# Altium PCB CPU_CARD.pcbdoc (part 4 of 10)
Units mil, origin at the board's own origin, x right, y up, seen from the top; angles counter-clockwise.
Board outline 12785.46 x 11935.21 mil, 2 copper layers (Top Layer, Bottom Layer); 169 components, 379 nets, 1548 pads, 1023 vias.
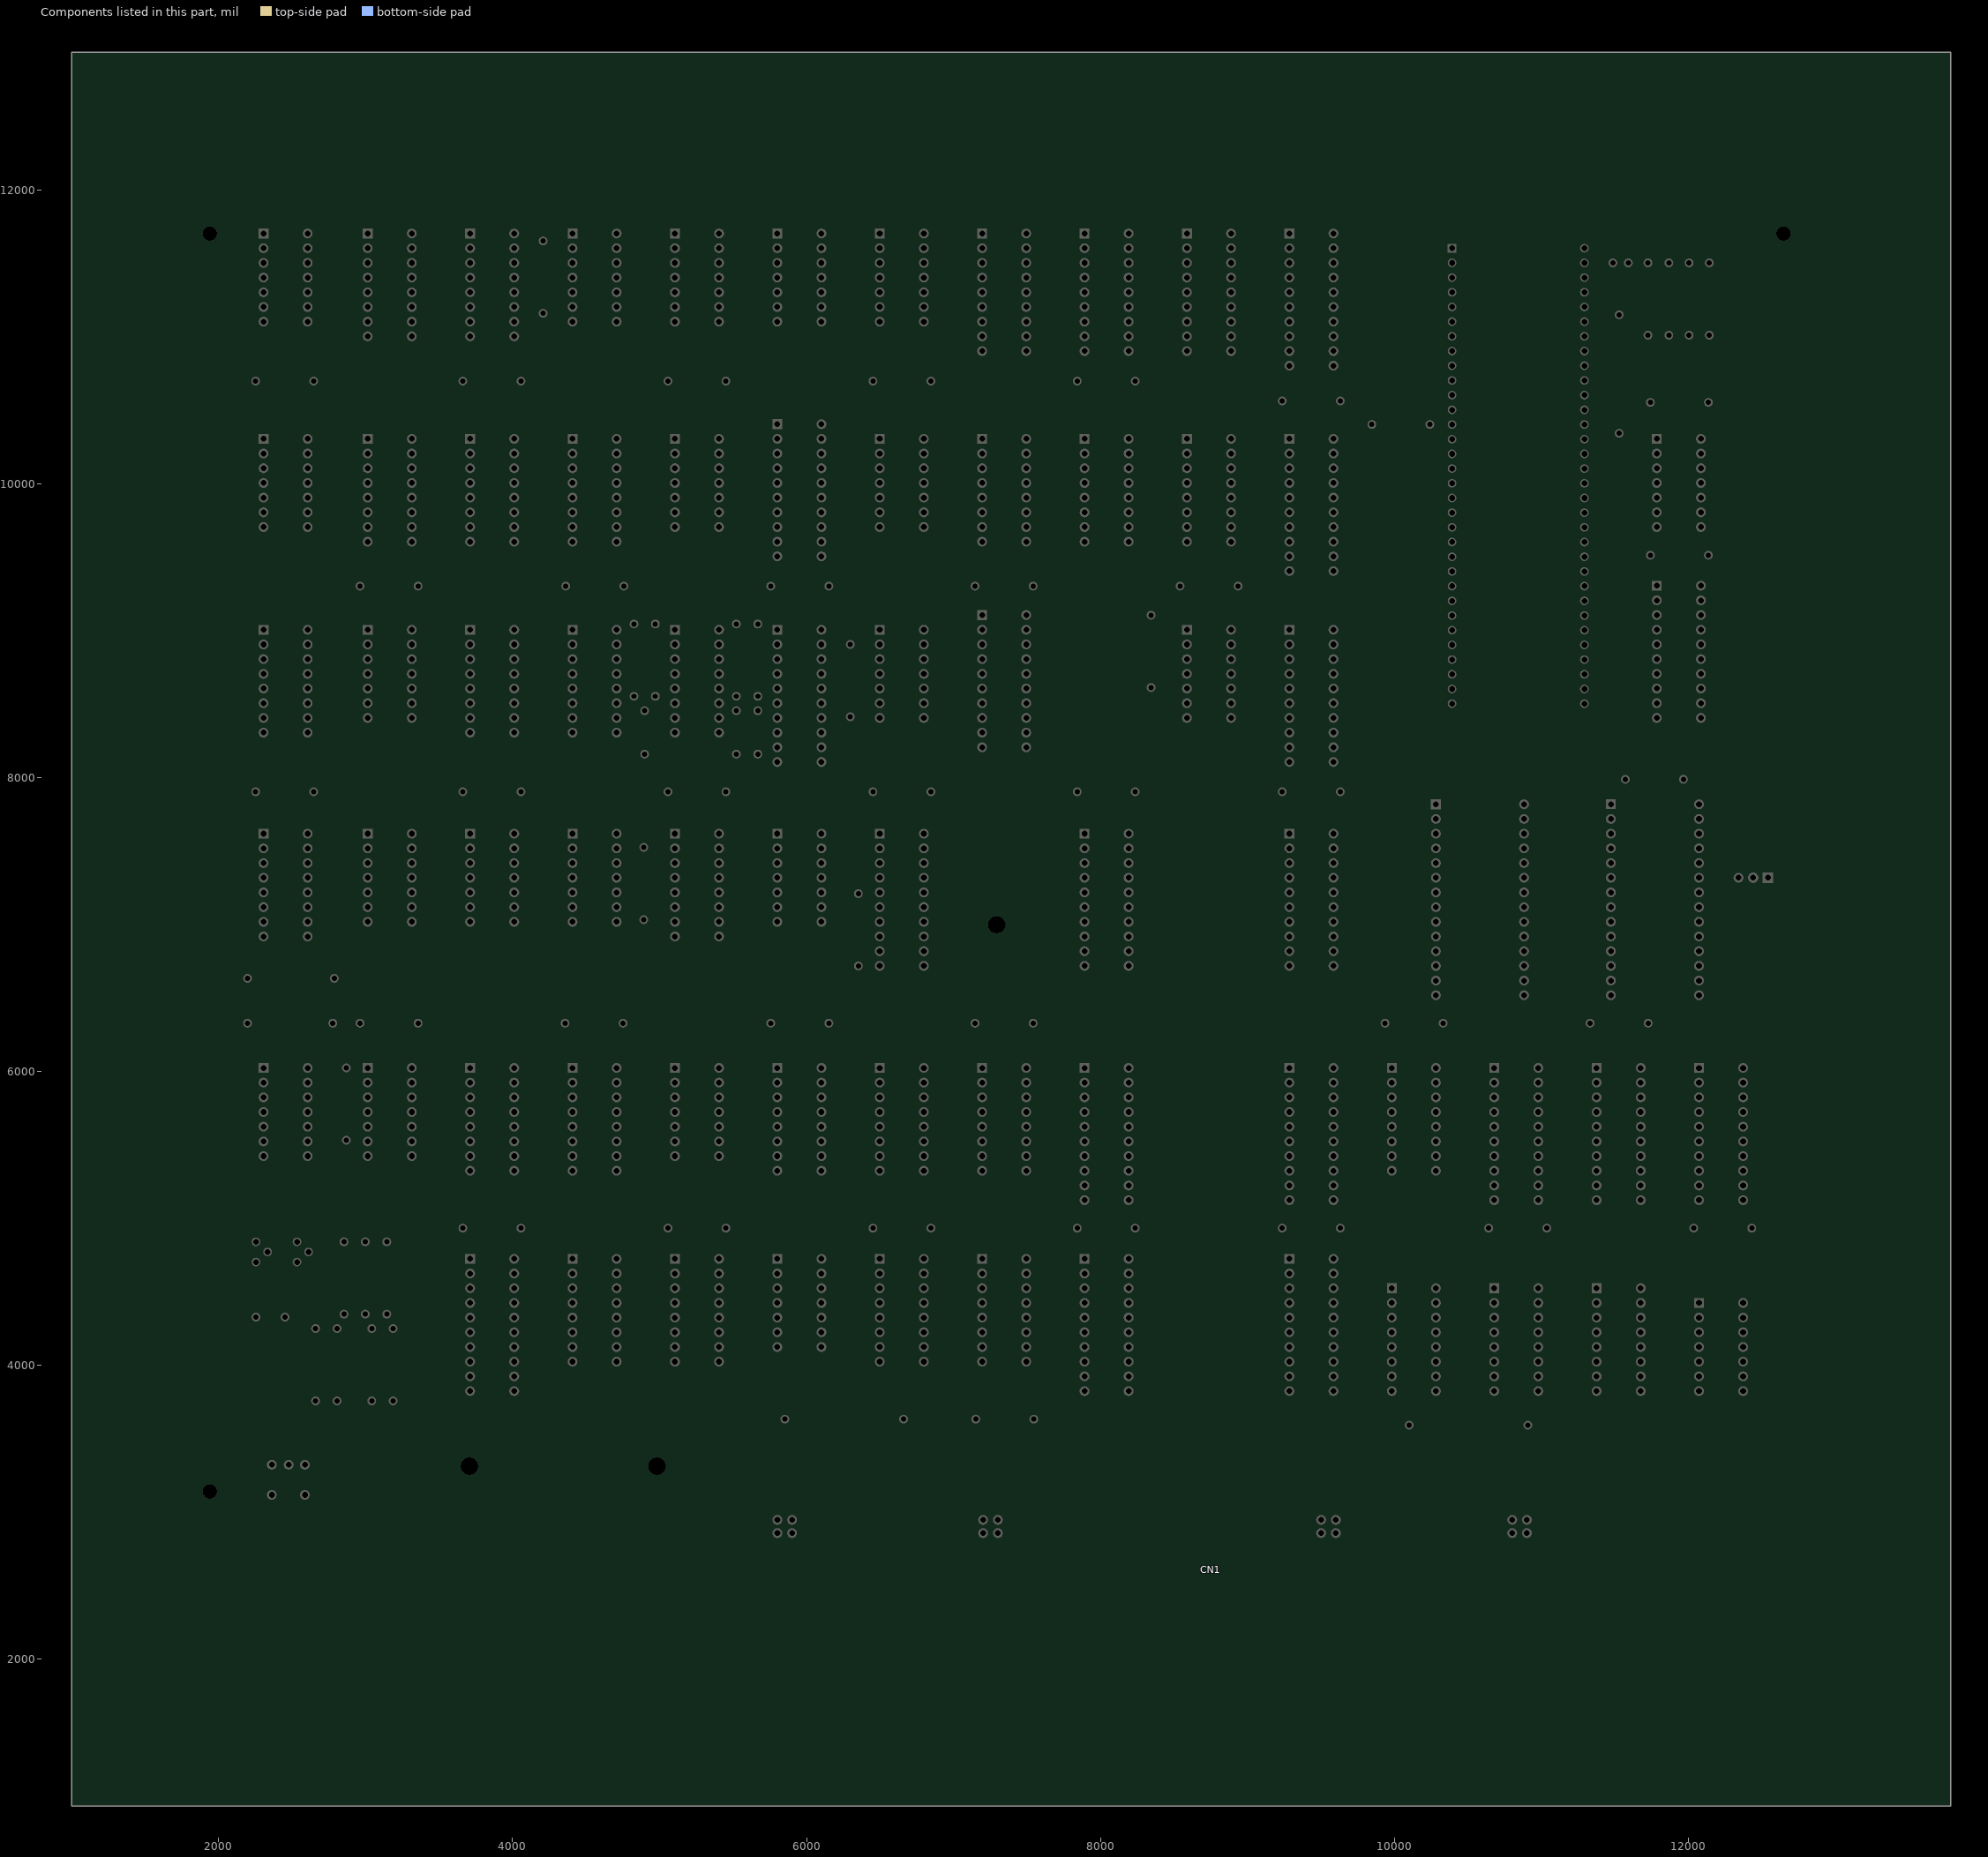
[diagram p4: the components of this part, seen from the top]

## Footprints (in the part's own frame and the unit in brackets; to place one, negate y for a bottom-side part, rotate by r counter-clockwise, add the part's x,y. Pads: shape width x height; smd on the part's side, far side on the other; paste and mask are expansions set on the pad) (continued)
LISA_60_PIN_EDGE_MK5 [mm] (continued)
  Top Layer region: 54.659,4.952 54.621,4.953 54.621,4.953 54.583,4.952 54.583,4.952 54.545,4.949 54.545,4.949 54.508,4.944 54.508,4.944 54.47,4.937 54.47,4.937 54.433,4.927 54.433,4.927 54.397,4.916 54.397,4.916 54.362,4.903 54.362,4.903 54.327,4.888 54.327,4.888 54.293,4.871 54.293,4.871 54.26,4.853 54.26,4.853 54.228,4.832 54.228,4.832 54.197,4.81 54.197,4.81 54.168,4.787 54.168,4.787 54.139,4.761 54.139,4.761 54.112,4.734 54.112,4.734 54.087,4.706 54.087,4.706 54.063,4.677 54.063,4.677 54.041,4.646 54.041,4.646 54.021,4.614 54.021,4.614 54.002,4.581 54.002,4.581 53.985,4.547 53.985,4.547 53.971,4.512 53.971,4.512 53.957,4.477 53.957,4.477 53.946,4.44 53.946,4.44 53.937,4.404 53.937,4.404 53.93,4.366 53.93,4.366 53.925,4.329 53.925,4.329 53.922,4.291 53.922,4.291 53.921,4.253 53.921,4.253 53.921,-4.953 53.921,-4.953 55.321,-4.953 55.321,-4.953 55.321,4.253 55.321,4.253 55.32,4.291 55.32,4.291 55.317,4.329 55.317,4.329 55.312,4.366 55.312,4.366 55.304,4.404 55.304,4.404 55.295,4.44 55.295,4.44 55.284,4.477 55.284,4.477 55.271,4.512 55.271,4.512 55.256,4.547 55.256,4.547 55.239,4.581 55.239,4.581 55.22,4.614 55.22,4.614 55.2,4.646 55.2,4.646 55.178,4.677 55.178,4.677 55.154,4.706 55.154,4.706 55.129,4.734 55.129,4.734 55.102,4.761 55.102,4.761 55.074,4.787 55.074,4.787 55.044,4.81 55.044,4.81 55.013,4.832 55.013,4.832 54.982,4.853 54.982,4.853 54.948,4.871 54.948,4.871 54.915,4.888 54.915,4.888 54.88,4.903 54.88,4.903 54.844,4.916 54.844,4.916 54.808,4.927 54.808,4.927 54.771,4.937 54.771,4.937 54.734,4.944 54.734,4.944 54.696,4.949 54.696,4.949
  Top Layer region: 49.578,4.952 49.54,4.953 49.54,4.953 49.502,4.952 49.502,4.952 49.464,4.949 49.464,4.949 49.427,4.944 49.427,4.944 49.39,4.937 49.39,4.937 49.353,4.927 49.353,4.927 49.317,4.916 49.317,4.916 49.281,4.903 49.281,4.903 49.246,4.888 49.246,4.888 49.212,4.871 49.212,4.871 49.179,4.853 49.179,4.853 49.147,4.832 49.147,4.832 49.117,4.81 49.117,4.81 49.087,4.787 49.087,4.787 49.059,4.761 49.059,4.761 49.032,4.734 49.032,4.734 49.007,4.706 49.007,4.706 48.983,4.677 48.983,4.677 48.961,4.646 48.961,4.646 48.94,4.614 48.94,4.614 48.922,4.581 48.922,4.581 48.905,4.547 48.905,4.547 48.89,4.512 48.89,4.512 48.877,4.477 48.877,4.477 48.866,4.44 48.866,4.44 48.857,4.403 48.857,4.403 48.849,4.366 48.849,4.366 48.844,4.329 48.844,4.329 48.841,4.291 48.841,4.291 48.84,4.253 48.84,4.253 48.84,-4.953 48.84,-4.953 50.24,-4.953 50.24,-4.953 50.24,4.253 50.24,4.253 50.239,4.291 50.239,4.291 50.236,4.329 50.236,4.329 50.231,4.366 50.231,4.366 50.224,4.403 50.224,4.403 50.215,4.44 50.215,4.44 50.204,4.477 50.204,4.477 50.191,4.512 50.191,4.512 50.176,4.547 50.176,4.547 50.159,4.581 50.159,4.581 50.14,4.614 50.14,4.614 50.12,4.646 50.12,4.646 50.097,4.677 50.097,4.677 50.074,4.706 50.074,4.706 50.048,4.734 50.048,4.734 50.022,4.761 50.022,4.761 49.993,4.787 49.993,4.787 49.964,4.81 49.964,4.81 49.933,4.832 49.933,4.832 49.901,4.853 49.901,4.853 49.868,4.871 49.868,4.871 49.834,4.888 49.834,4.888 49.799,4.903 49.799,4.903 49.764,4.916 49.764,4.916 49.727,4.927 49.727,4.927 49.691,4.937 49.691,4.937 49.654,4.944 49.654,4.944 49.616,4.949 49.616,4.949
  Top Layer region: 47.038,4.952 47,4.953 47,4.953 46.962,4.952 46.962,4.952 46.924,4.949 46.924,4.949 46.887,4.944 46.887,4.944 46.849,4.937 46.849,4.937 46.813,4.927 46.813,4.927 46.776,4.916 46.776,4.916 46.741,4.903 46.741,4.903 46.706,4.888 46.706,4.888 46.672,4.871 46.672,4.871 46.639,4.853 46.639,4.853 46.607,4.832 46.607,4.832 46.576,4.81 46.576,4.81 46.547,4.787 46.547,4.787 46.518,4.761 46.518,4.761 46.492,4.734 46.492,4.734 46.466,4.706 46.466,4.706 46.443,4.677 46.443,4.677 46.421,4.646 46.421,4.646 46.4,4.614 46.4,4.614 46.381,4.581 46.381,4.581 46.365,4.547 46.365,4.547 46.35,4.512 46.35,4.512 46.337,4.477 46.337,4.477 46.325,4.44 46.325,4.44 46.316,4.403 46.316,4.403 46.309,4.366 46.309,4.366 46.304,4.329 46.304,4.329 46.301,4.291 46.301,4.291 46.3,4.253 46.3,4.253 46.3,-4.953 46.3,-4.953 47.7,-4.953 47.7,-4.953 47.7,4.253 47.7,4.253 47.699,4.291 47.699,4.291 47.696,4.329 47.696,4.329 47.691,4.366 47.691,4.366 47.684,4.403 47.684,4.403 47.674,4.44 47.674,4.44 47.663,4.477 47.663,4.477 47.65,4.512 47.65,4.512 47.635,4.547 47.635,4.547 47.618,4.581 47.618,4.581 47.6,4.614 47.6,4.614 47.579,4.646 47.579,4.646 47.557,4.677 47.557,4.677 47.533,4.706 47.533,4.706 47.508,4.734 47.508,4.734 47.481,4.761 47.481,4.761 47.453,4.787 47.453,4.787 47.423,4.81 47.423,4.81 47.393,4.832 47.393,4.832 47.361,4.853 47.361,4.853 47.328,4.871 47.328,4.871 47.294,4.888 47.294,4.888 47.259,4.903 47.259,4.903 47.223,4.916 47.223,4.916 47.187,4.927 47.187,4.927 47.15,4.937 47.15,4.937 47.113,4.944 47.113,4.944 47.075,4.949 47.075,4.949
  Bottom Layer region: 47.038,4.952 47,4.953 47,4.953 46.962,4.952 46.962,4.952 46.924,4.949 46.924,4.949 46.887,4.944 46.887,4.944 46.849,4.937 46.849,4.937 46.813,4.927 46.813,4.927 46.776,4.916 46.776,4.916 46.741,4.903 46.741,4.903 46.706,4.888 46.706,4.888 46.672,4.871 46.672,4.871 46.639,4.853 46.639,4.853 46.607,4.832 46.607,4.832 46.576,4.81 46.576,4.81 46.547,4.786 46.547,4.786 46.519,4.761 46.519,4.761 46.492,4.734 46.492,4.734 46.466,4.706 46.466,4.706 46.443,4.677 46.443,4.677 46.421,4.646 46.421,4.646 46.4,4.614 46.4,4.614 46.382,4.581 46.382,4.581 46.365,4.547 46.365,4.547 46.35,4.512 46.35,4.512 46.337,4.477 46.337,4.477 46.325,4.44 46.325,4.44 46.316,4.403 46.316,4.403 46.309,4.366 46.309,4.366 46.304,4.329 46.304,4.329 46.301,4.291 46.301,4.291 46.3,4.253 46.3,4.253 46.3,-4.953 46.3,-4.953 47.7,-4.953 47.7,-4.953 47.7,4.253 47.7,4.253 47.699,4.291 47.699,4.291 47.696,4.329 47.696,4.329 47.691,4.366 47.691,4.366 47.684,4.403 47.684,4.403 47.675,4.44 47.675,4.44 47.663,4.477 47.663,4.477 47.65,4.512 47.65,4.512 47.635,4.547 47.635,4.547 47.618,4.581 47.618,4.581 47.6,4.614 47.6,4.614 47.579,4.646 47.579,4.646 47.557,4.677 47.557,4.677 47.534,4.706 47.534,4.706 47.508,4.734 47.508,4.734 47.481,4.761 47.481,4.761 47.453,4.786 47.453,4.786 47.423,4.81 47.423,4.81 47.393,4.832 47.393,4.832 47.361,4.853 47.361,4.853 47.328,4.871 47.328,4.871 47.294,4.888 47.294,4.888 47.259,4.903 47.259,4.903 47.224,4.916 47.224,4.916 47.187,4.927 47.187,4.927 47.15,4.937 47.15,4.937 47.113,4.944 47.113,4.944 47.076,4.949 47.076,4.949
  Bottom Layer region: 49.578,4.952 49.54,4.953 49.54,4.953 49.502,4.952 49.502,4.952 49.464,4.949 49.464,4.949 49.427,4.944 49.427,4.944 49.39,4.937 49.39,4.937 49.353,4.927 49.353,4.927 49.317,4.916 49.317,4.916 49.281,4.903 49.281,4.903 49.246,4.888 49.246,4.888 49.212,4.871 49.212,4.871 49.179,4.853 49.179,4.853 49.147,4.832 49.147,4.832 49.117,4.81 49.117,4.81 49.087,4.787 49.087,4.787 49.059,4.761 49.059,4.761 49.032,4.734 49.032,4.734 49.007,4.706 49.007,4.706 48.983,4.677 48.983,4.677 48.961,4.646 48.961,4.646 48.94,4.614 48.94,4.614 48.922,4.581 48.922,4.581 48.905,4.547 48.905,4.547 48.89,4.512 48.89,4.512 48.877,4.477 48.877,4.477 48.866,4.44 48.866,4.44 48.857,4.403 48.857,4.403 48.85,4.366 48.85,4.366 48.844,4.329 48.844,4.329 48.841,4.291 48.841,4.291 48.84,4.253 48.84,4.253 48.84,-4.953 48.84,-4.953 50.24,-4.953 50.24,-4.953 50.24,4.253 50.24,4.253 50.239,4.291 50.239,4.291 50.236,4.329 50.236,4.329 50.231,4.366 50.231,4.366 50.224,4.403 50.224,4.403 50.215,4.44 50.215,4.44 50.204,4.477 50.204,4.477 50.191,4.512 50.191,4.512 50.176,4.547 50.176,4.547 50.159,4.581 50.159,4.581 50.14,4.614 50.14,4.614 50.12,4.646 50.12,4.646 50.097,4.677 50.097,4.677 50.074,4.706 50.074,4.706 50.048,4.734 50.048,4.734 50.022,4.761 50.022,4.761 49.993,4.787 49.993,4.787 49.964,4.81 49.964,4.81 49.933,4.832 49.933,4.832 49.901,4.853 49.901,4.853 49.868,4.871 49.868,4.871 49.834,4.888 49.834,4.888 49.799,4.903 49.799,4.903 49.764,4.916 49.764,4.916 49.727,4.927 49.727,4.927 49.691,4.937 49.691,4.937 49.654,4.944 49.654,4.944 49.616,4.949 49.616,4.949
  Bottom Layer region: 54.659,4.952 54.621,4.953 54.621,4.953 54.583,4.952 54.583,4.952 54.545,4.949 54.545,4.949 54.508,4.944 54.508,4.944 54.47,4.937 54.47,4.937 54.433,4.927 54.433,4.927 54.397,4.916 54.397,4.916 54.362,4.903 54.362,4.903 54.327,4.888 54.327,4.888 54.293,4.871 54.293,4.871 54.26,4.853 54.26,4.853 54.228,4.832 54.228,4.832 54.197,4.81 54.197,4.81 54.168,4.787 54.168,4.787 54.139,4.761 54.139,4.761 54.113,4.734 54.113,4.734 54.087,4.706 54.087,4.706 54.064,4.677 54.064,4.677 54.041,4.646 54.041,4.646 54.021,4.614 54.021,4.614 54.002,4.581 54.002,4.581 53.986,4.547 53.986,4.547 53.971,4.512 53.971,4.512 53.957,4.477 53.957,4.477 53.946,4.44 53.946,4.44 53.937,4.403 53.937,4.403 53.93,4.366 53.93,4.366 53.925,4.329 53.925,4.329 53.922,4.291 53.922,4.291 53.921,4.253 53.921,4.253 53.921,-4.953 53.921,-4.953 55.321,-4.953 55.321,-4.953 55.321,4.253 55.321,4.253 55.32,4.291 55.32,4.291 55.317,4.329 55.317,4.329 55.312,4.366 55.312,4.366 55.305,4.403 55.305,4.403 55.295,4.44 55.295,4.44 55.284,4.477 55.284,4.477 55.271,4.512 55.271,4.512 55.256,4.547 55.256,4.547 55.239,4.581 55.239,4.581 55.22,4.614 55.22,4.614 55.2,4.646 55.2,4.646 55.178,4.677 55.178,4.677 55.154,4.706 55.154,4.706 55.129,4.734 55.129,4.734 55.102,4.761 55.102,4.761 55.074,4.787 55.074,4.787 55.044,4.81 55.044,4.81 55.014,4.832 55.014,4.832 54.982,4.853 54.982,4.853 54.949,4.871 54.949,4.871 54.915,4.888 54.915,4.888 54.88,4.903 54.88,4.903 54.844,4.916 54.844,4.916 54.808,4.927 54.808,4.927 54.771,4.937 54.771,4.937 54.734,4.944 54.734,4.944 54.696,4.949 54.696,4.949
  Bottom Layer region: 52.118,4.952 52.081,4.953 52.081,4.953 52.043,4.952 52.043,4.952 52.005,4.949 52.005,4.949 51.967,4.944 51.967,4.944 51.93,4.937 51.93,4.937 51.893,4.927 51.893,4.927 51.857,4.916 51.857,4.916 51.821,4.903 51.821,4.903 51.787,4.888 51.787,4.888 51.753,4.871 51.753,4.871 51.72,4.853 51.72,4.853 51.688,4.832 51.688,4.832 51.657,4.81 51.657,4.81 51.627,4.787 51.627,4.787 51.599,4.761 51.599,4.761 51.572,4.734 51.572,4.734 51.547,4.706 51.547,4.706 51.523,4.677 51.523,4.677 51.501,4.646 51.501,4.646 51.481,4.614 51.481,4.614 51.462,4.581 51.462,4.581 51.445,4.547 51.445,4.547 51.43,4.512 51.43,4.512 51.417,4.477 51.417,4.477 51.406,4.44 51.406,4.44 51.397,4.403 51.397,4.403 51.39,4.366 51.39,4.366 51.385,4.329 51.385,4.329 51.382,4.291 51.382,4.291 51.381,4.253 51.381,4.253 51.381,-4.953 51.381,-4.953 52.781,-4.953 52.781,-4.953 52.781,4.253 52.781,4.253 52.78,4.291 52.78,4.291 52.776,4.329 52.776,4.329 52.771,4.366 52.771,4.366 52.764,4.403 52.764,4.403 52.755,4.44 52.755,4.44 52.744,4.477 52.744,4.477 52.731,4.512 52.731,4.512 52.716,4.547 52.716,4.547 52.699,4.581 52.699,4.581 52.68,4.614 52.68,4.614 52.66,4.646 52.66,4.646 52.638,4.677 52.638,4.677 52.614,4.706 52.614,4.706 52.589,4.734 52.589,4.734 52.562,4.761 52.562,4.761 52.534,4.787 52.534,4.787 52.504,4.81 52.504,4.81 52.473,4.832 52.473,4.832 52.441,4.853 52.441,4.853 52.408,4.871 52.408,4.871 52.374,4.888 52.374,4.888 52.34,4.903 52.34,4.903 52.304,4.916 52.304,4.916 52.268,4.927 52.268,4.927 52.231,4.937 52.231,4.937 52.194,4.944 52.194,4.944 52.156,4.949 52.156,4.949
  Bottom Layer region: 62.28,4.952 62.242,4.953 62.242,4.953 62.204,4.952 62.204,4.952 62.166,4.949 62.166,4.949 62.129,4.944 62.129,4.944 62.091,4.937 62.091,4.937 62.054,4.927 62.054,4.927 62.018,4.916 62.018,4.916 61.982,4.903 61.982,4.903 61.948,4.888 61.948,4.888 61.914,4.872 61.914,4.872 61.881,4.853 61.881,4.853 61.849,4.832 61.849,4.832 61.818,4.81 61.818,4.81 61.789,4.787 61.789,4.787 61.76,4.761 61.76,4.761 61.734,4.734 61.734,4.734 61.708,4.706 61.708,4.706 61.684,4.677 61.684,4.677 61.662,4.646 61.662,4.646 61.642,4.614 61.642,4.614 61.623,4.581 61.623,4.581 61.606,4.547 61.606,4.547 61.591,4.512 61.591,4.512 61.578,4.477 61.578,4.477 61.567,4.44 61.567,4.44 61.558,4.404 61.558,4.404 61.551,4.366 61.551,4.366 61.546,4.329 61.546,4.329 61.543,4.291 61.543,4.291 61.542,4.253 61.542,4.253 61.542,-4.953 61.542,-4.953 62.942,-4.953 62.942,-4.953 62.942,4.253 62.942,4.253 62.941,4.291 62.941,4.291 62.938,4.329 62.938,4.329 62.932,4.366 62.932,4.366 62.925,4.404 62.925,4.404 62.916,4.44 62.916,4.44 62.905,4.477 62.905,4.477 62.892,4.512 62.892,4.512 62.877,4.547 62.877,4.547 62.86,4.581 62.86,4.581 62.842,4.614 62.842,4.614 62.821,4.646 62.821,4.646 62.799,4.677 62.799,4.677 62.775,4.706 62.775,4.706 62.75,4.734 62.75,4.734 62.723,4.761 62.723,4.761 62.695,4.787 62.695,4.787 62.665,4.81 62.665,4.81 62.635,4.832 62.635,4.832 62.603,4.853 62.603,4.853 62.569,4.872 62.569,4.872 62.536,4.888 62.536,4.888 62.501,4.903 62.501,4.903 62.465,4.916 62.465,4.916 62.429,4.927 62.429,4.927 62.392,4.937 62.392,4.937 62.355,4.944 62.355,4.944 62.317,4.949 62.317,4.949
  Bottom Layer region: 64.82,4.952 64.782,4.953 64.782,4.953 64.744,4.952 64.744,4.952 64.706,4.949 64.706,4.949 64.669,4.944 64.669,4.944 64.632,4.937 64.632,4.937 64.595,4.927 64.595,4.927 64.559,4.916 64.559,4.916 64.523,4.903 64.523,4.903 64.488,4.888 64.488,4.888 64.454,4.871 64.454,4.871 64.421,4.853 64.421,4.853 64.389,4.832 64.389,4.832 64.358,4.81 64.358,4.81 64.329,4.787 64.329,4.787 64.301,4.761 64.301,4.761 64.274,4.734 64.274,4.734 64.249,4.706 64.249,4.706 64.225,4.677 64.225,4.677 64.203,4.646 64.203,4.646 64.182,4.614 64.182,4.614 64.164,4.581 64.164,4.581 64.147,4.547 64.147,4.547 64.132,4.512 64.132,4.512 64.119,4.477 64.119,4.477 64.107,4.44 64.107,4.44 64.099,4.403 64.099,4.403 64.091,4.366 64.091,4.366 64.086,4.329 64.086,4.329 64.083,4.291 64.083,4.291 64.082,4.253 64.082,4.253 64.082,-4.953 64.082,-4.953 65.482,-4.953 65.482,-4.953 65.482,4.253 65.482,4.253 65.481,4.291 65.481,4.291 65.478,4.329 65.478,4.329 65.473,4.366 65.473,4.366 65.466,4.403 65.466,4.403 65.457,4.44 65.457,4.44 65.445,4.477 65.445,4.477 65.432,4.512 65.432,4.512 65.417,4.547 65.417,4.547 65.401,4.581 65.401,4.581 65.382,4.614 65.382,4.614 65.361,4.646 65.361,4.646 65.339,4.677 65.339,4.677 65.316,4.706 65.316,4.706 65.29,4.734 65.29,4.734 65.264,4.761 65.264,4.761 65.235,4.787 65.235,4.787 65.206,4.81 65.206,4.81 65.175,4.832 65.175,4.832 65.143,4.853 65.143,4.853 65.11,4.871 65.11,4.871 65.076,4.888 65.076,4.888 65.041,4.903 65.041,4.903 65.006,4.916 65.006,4.916 64.969,4.927 64.969,4.927 64.933,4.937 64.933,4.937 64.895,4.944 64.895,4.944 64.858,4.949 64.858,4.949
  Bottom Layer region: 59.74,4.952 59.701,4.953 59.701,4.953 59.664,4.952 59.664,4.952 59.626,4.948 59.626,4.948 59.588,4.943 59.588,4.943 59.551,4.937 59.551,4.937 59.514,4.927 59.514,4.927 59.478,4.916 59.478,4.916 59.442,4.903 59.442,4.903 59.408,4.888 59.408,4.888 59.374,4.871 59.374,4.871 59.341,4.853 59.341,4.853 59.309,4.832 59.309,4.832 59.278,4.81 59.278,4.81 59.248,4.786 59.248,4.786 59.22,4.761 59.22,4.761 59.193,4.734 59.193,4.734 59.168,4.706 59.168,4.706 59.144,4.677 59.144,4.677 59.122,4.646 59.122,4.646 59.102,4.614 59.102,4.614 59.083,4.581 59.083,4.581 59.066,4.547 59.066,4.547 59.051,4.512 59.051,4.512 59.038,4.476 59.038,4.476 59.027,4.44 59.027,4.44 59.018,4.403 59.018,4.403 59.011,4.366 59.011,4.366 59.006,4.329 59.006,4.329 59.002,4.291 59.002,4.291 59.002,4.253 59.002,4.253 59.002,-4.953 59.002,-4.953 60.401,-4.953 60.401,-4.953 60.401,4.253 60.401,4.253 60.4,4.291 60.4,4.291 60.397,4.329 60.397,4.329 60.392,4.366 60.392,4.366 60.385,4.403 60.385,4.403 60.376,4.44 60.376,4.44 60.365,4.476 60.365,4.476 60.352,4.512 60.352,4.512 60.337,4.547 60.337,4.547 60.32,4.581 60.32,4.581 60.301,4.614 60.301,4.614 60.281,4.646 60.281,4.646 60.259,4.677 60.259,4.677 60.235,4.706 60.235,4.706 60.21,4.734 60.21,4.734 60.183,4.761 60.183,4.761 60.155,4.786 60.155,4.786 60.125,4.81 60.125,4.81 60.094,4.832 60.094,4.832 60.062,4.853 60.062,4.853 60.029,4.871 60.029,4.871 59.995,4.888 59.995,4.888 59.961,4.903 59.961,4.903 59.925,4.916 59.925,4.916 59.889,4.927 59.889,4.927 59.852,4.937 59.852,4.937 59.815,4.943 59.815,4.943 59.777,4.949 59.777,4.949
  Bottom Layer region: 57.199,4.952 57.161,4.953 57.161,4.953 57.123,4.952 57.123,4.952 57.085,4.949 57.085,4.949 57.048,4.944 57.048,4.944 57.011,4.937 57.011,4.937 56.974,4.927 56.974,4.927 56.938,4.916 56.938,4.916 56.902,4.903 56.902,4.903 56.867,4.888 56.867,4.888 56.833,4.871 56.833,4.871 56.8,4.853 56.8,4.853 56.768,4.832 56.768,4.832 56.738,4.81 56.738,4.81 56.708,4.786 56.708,4.786 56.68,4.761 56.68,4.761 56.653,4.734 56.653,4.734 56.628,4.706 56.628,4.706 56.604,4.677 56.604,4.677 56.582,4.646 56.582,4.646 56.561,4.614 56.561,4.614 56.543,4.581 56.543,4.581 56.526,4.547 56.526,4.547 56.511,4.512 56.511,4.512 56.498,4.477 56.498,4.477 56.487,4.44 56.487,4.44 56.478,4.403 56.478,4.403 56.47,4.366 56.47,4.366 56.465,4.328 56.465,4.328 56.462,4.291 56.462,4.291 56.461,4.253 56.461,4.253 56.461,-4.953 56.461,-4.953 57.861,-4.953 57.861,-4.953 57.861,4.253 57.861,4.253 57.86,4.291 57.86,4.291 57.857,4.328 57.857,4.328 57.852,4.366 57.852,4.366 57.845,4.403 57.845,4.403 57.836,4.44 57.836,4.44 57.825,4.477 57.825,4.477 57.812,4.512 57.812,4.512 57.797,4.547 57.797,4.547 57.78,4.581 57.78,4.581 57.761,4.614 57.761,4.614 57.741,4.646 57.741,4.646 57.718,4.677 57.718,4.677 57.695,4.706 57.695,4.706 57.669,4.734 57.669,4.734 57.643,4.761 57.643,4.761 57.614,4.786 57.614,4.786 57.585,4.81 57.585,4.81 57.554,4.832 57.554,4.832 57.522,4.853 57.522,4.853 57.489,4.871 57.489,4.871 57.455,4.888 57.455,4.888 57.42,4.903 57.42,4.903 57.385,4.916 57.385,4.916 57.349,4.927 57.349,4.927 57.312,4.937 57.312,4.937 57.275,4.944 57.275,4.944 57.237,4.949 57.237,4.949
  Bottom Layer region: 72.441,4.952 72.403,4.953 72.403,4.953 72.365,4.952 72.365,4.952 72.327,4.949 72.327,4.949 72.29,4.944 72.29,4.944 72.252,4.937 72.252,4.937 72.215,4.928 72.215,4.928 72.179,4.916 72.179,4.916 72.144,4.904 72.144,4.904 72.109,4.888 72.109,4.888 72.075,4.872 72.075,4.872 72.042,4.853 72.042,4.853 72.01,4.833 72.01,4.833 71.979,4.81 71.979,4.81 71.95,4.787 71.95,4.787 71.921,4.761 71.921,4.761 71.894,4.734 71.894,4.734 71.869,4.706 71.869,4.706 71.846,4.677 71.846,4.677 71.823,4.646 71.823,4.646 71.803,4.614 71.803,4.614 71.784,4.581 71.784,4.581 71.767,4.547 71.767,4.547 71.753,4.512 71.753,4.512 71.739,4.477 71.739,4.477 71.728,4.44 71.728,4.44 71.719,4.404 71.719,4.404 71.712,4.366 71.712,4.366 71.707,4.329 71.707,4.329 71.704,4.291 71.704,4.291 71.703,4.253 71.703,4.253 71.703,-4.953 71.703,-4.953 73.103,-4.953 73.103,-4.953 73.103,4.253 73.103,4.253 73.102,4.291 73.102,4.291 73.099,4.329 73.099,4.329 73.094,4.366 73.094,4.366 73.086,4.404 73.086,4.404 73.077,4.44 73.077,4.44 73.066,4.477 73.066,4.477 73.053,4.512 73.053,4.512 73.038,4.547 73.038,4.547 73.021,4.581 73.021,4.581 73.003,4.614 73.003,4.614 72.982,4.646 72.982,4.646 72.96,4.677 72.96,4.677 72.936,4.706 72.936,4.706 72.911,4.734 72.911,4.734 72.884,4.761 72.884,4.761 72.856,4.787 72.856,4.787 72.826,4.81 72.826,4.81 72.796,4.833 72.796,4.833 72.764,4.853 72.764,4.853 72.731,4.872 72.731,4.872 72.697,4.888 72.697,4.888 72.662,4.904 72.662,4.904 72.626,4.916 72.626,4.916 72.59,4.928 72.59,4.928 72.553,4.937 72.553,4.937 72.516,4.944 72.516,4.944 72.478,4.949 72.478,4.949
  Bottom Layer region: 69.9,4.952 69.862,4.953 69.862,4.953 69.825,4.952 69.825,4.952 69.787,4.949 69.787,4.949 69.749,4.944 69.749,4.944 69.712,4.937 69.712,4.937 69.675,4.927 69.675,4.927 69.639,4.916 69.639,4.916 69.603,4.903 69.603,4.903 69.569,4.888 69.569,4.888 69.535,4.872 69.535,4.872 69.502,4.853 69.502,4.853 69.47,4.832 69.47,4.832 69.439,4.81 69.439,4.81 69.41,4.787 69.41,4.787 69.381,4.761 69.381,4.761 69.354,4.734 69.354,4.734 69.329,4.706 69.329,4.706 69.305,4.677 69.305,4.677 69.283,4.646 69.283,4.646 69.263,4.614 69.263,4.614 69.244,4.581 69.244,4.581 69.227,4.547 69.227,4.547 69.212,4.512 69.212,4.512 69.199,4.477 69.199,4.477 69.188,4.44 69.188,4.44 69.179,4.404 69.179,4.404 69.172,4.366 69.172,4.366 69.167,4.329 69.167,4.329 69.164,4.291 69.164,4.291 69.163,4.253 69.163,4.253 69.163,-4.953 69.163,-4.953 70.563,-4.953 70.563,-4.953 70.563,4.253 70.563,4.253 70.561,4.291 70.561,4.291 70.559,4.329 70.559,4.329 70.553,4.366 70.553,4.366 70.546,4.404 70.546,4.404 70.537,4.44 70.537,4.44 70.526,4.477 70.526,4.477 70.513,4.512 70.513,4.512 70.498,4.547 70.498,4.547 70.481,4.581 70.481,4.581 70.462,4.614 70.462,4.614 70.442,4.646 70.442,4.646 70.42,4.677 70.42,4.677 70.396,4.706 70.396,4.706 70.371,4.734 70.371,4.734 70.344,4.761 70.344,4.761 70.316,4.787 70.316,4.787 70.286,4.81 70.286,4.81 70.256,4.832 70.256,4.832 70.224,4.853 70.224,4.853 70.19,4.872 70.19,4.872 70.156,4.888 70.156,4.888 70.122,4.903 70.122,4.903 70.086,4.916 70.086,4.916 70.05,4.927 70.05,4.927 70.013,4.937 70.013,4.937 69.976,4.944 69.976,4.944 69.938,4.949 69.938,4.949